# Altium PCB smart_mask_v_1_0.PcbDoc (continued)
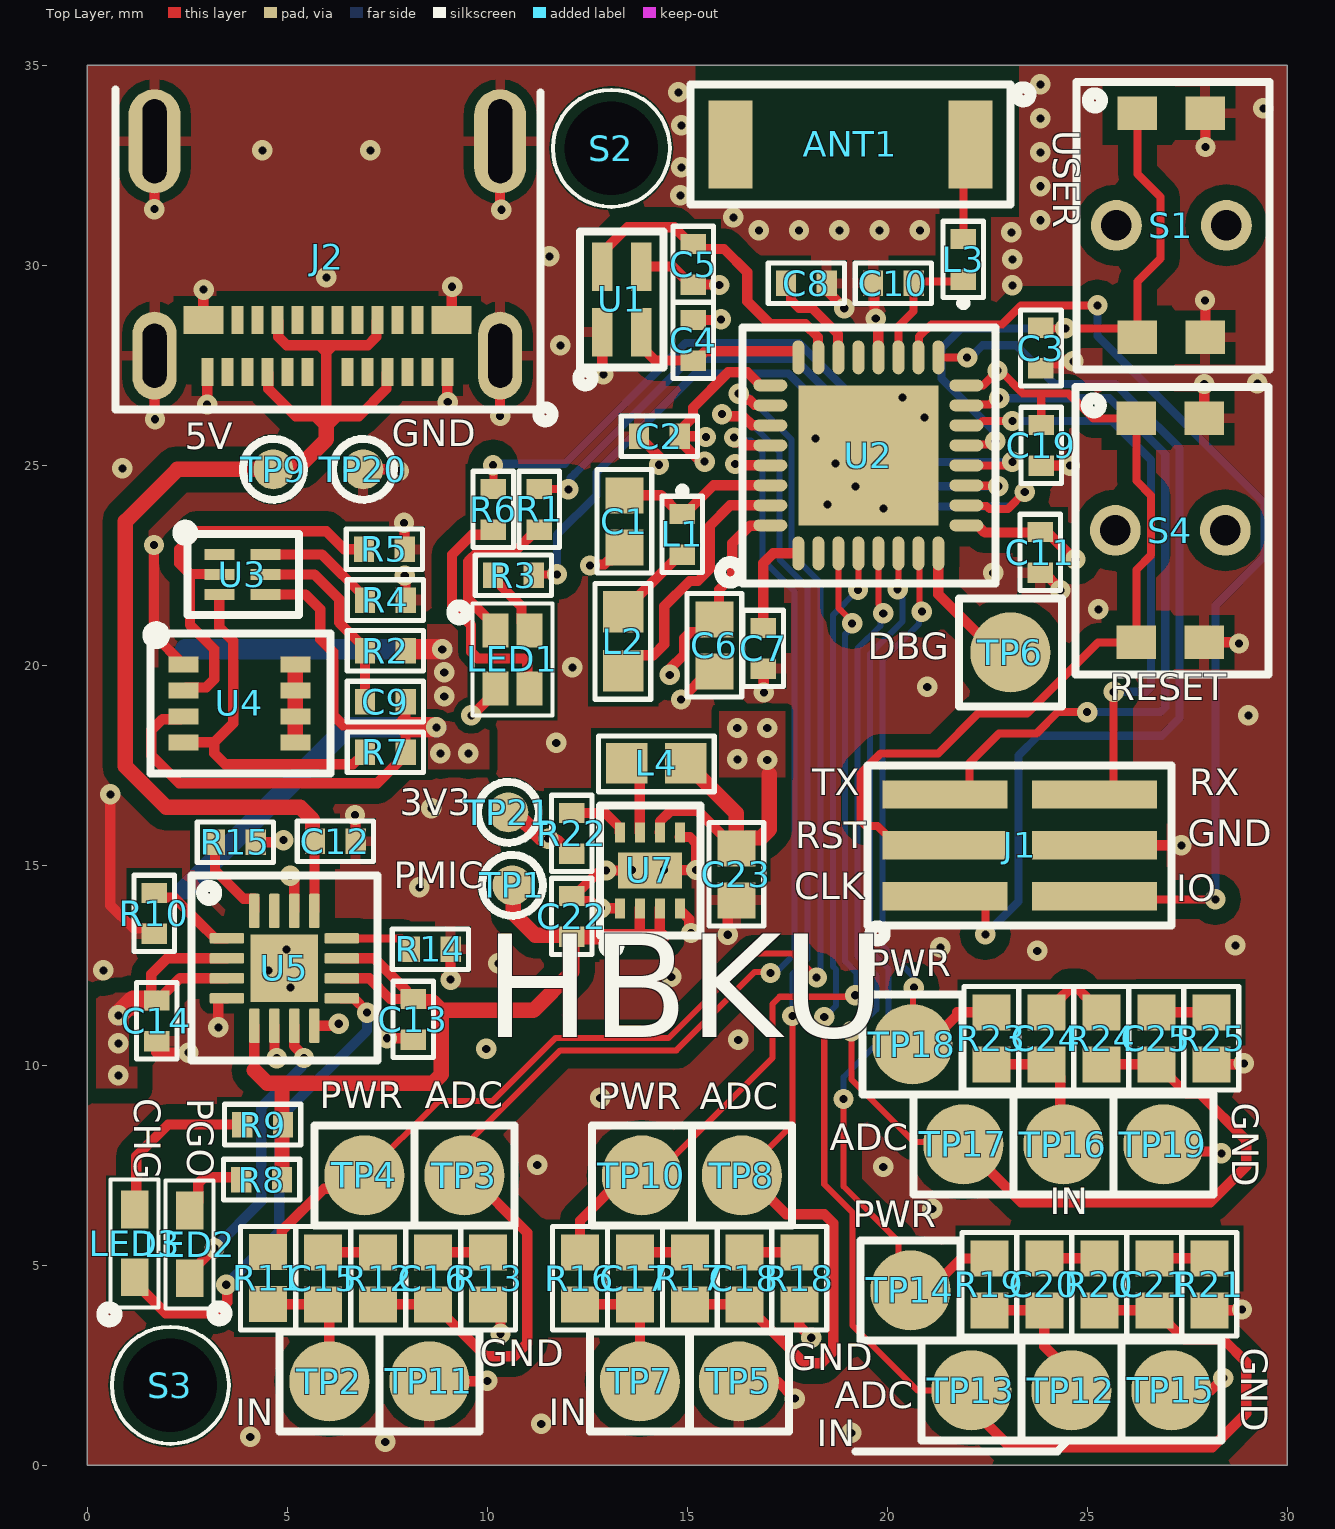
[diagram p0: Top Layer view]
## Footprints (in the part's own frame and the unit in brackets; to place one, negate y for a bottom-side part, rotate by r counter-clockwise, add the part's x,y. Pads: shape width x height; smd on the part's side, far side on the other; paste and mask are expansions set on the pad) (continued)
  oval 0.85x0.3 smd mask+0.076: 1(-2.45,1.75) 2(-2.45,1.25) 3(-2.45,0.75) 4(-2.45,0.25) 5(-2.45,-0.25) 6(-2.45,-0.75) 7(-2.45,-1.25) 8(-2.45,-1.75) 17(2.45,-1.75) 18(2.45,-1.25) 19(2.45,-0.75) 20(2.45,-0.25) 21(2.45,0.25) 22(2.45,0.75) 23(2.45,1.25) 24(2.45,1.75)
  oval 0.3x0.85 smd mask+0.076: 9(-1.75,-2.45) 10(-1.25,-2.45) 11(-0.75,-2.45) 12(-0.25,-2.45) 13(0.25,-2.45) 14(0.75,-2.45) 15(1.25,-2.45) 16(1.75,-2.45) 25(1.75,2.45) 26(1.25,2.45) 27(0.75,2.45) 28(0.25,2.45) 29(-0.25,2.45) 30(-0.75,2.45) 31(-1.25,2.45) 32(-1.75,2.45)
  rect 3.5x3.5 smd: 33(0,0)
  silkscreen extent -3.2,-3.18 3.2,3.7, body extent -2.5,-2.5 2.5,2.5, height 0.9
R0402 [mil]
  rect 20x25 smd mask+2: 1(-20,0) 2(20,0)
  silkscreen extent -38,-20 38,20, body extent -23,-11 23,11, height 16
R0603_DNI [mm] "non polarized"
  rect 0.9x0.95 smd: 1(-0.65,0) 2(0.65,0)
  silkscreen extent -1.3,-0.69 1.3,0.69
REG_BUCK_TPS62172DSGR [mm] "REG BUCK 3.3V 500MA 8WSON"
  rect 0.5x0.25 smd paste+0 mask+0.051: 1(-0.95,0.75) 2(-0.95,0.25) 3(-0.95,-0.25) 4(-0.95,-0.75) 5(0.95,-0.75) 6(0.95,-0.25) 7(0.95,0.25) 8(0.95,0.75)
  rect 0.9x1.6 smd paste-0.45 mask+0.051: 9(0,0)
  silkscreen extent -2.05,-1.27 1.63,1.24, body extent -1,-1 1,1, height 0.77
TP_1mm [mm]
  round 1 smd paste+0 mask+0: 1(0,0)
  silkscreen extent -0.76,-0.76 0.76,0.76
TP_2mm#1 [mm]
  round 2 smd paste+0 mask+0: 1(0,0)
  silkscreen extent -1.25,-1.25 1.25,1.25
TP_2mm#2 [mm]
  round 2 smd paste+0 mask+0: 1(0.03,-0.06)
  silkscreen extent -1.32,-1.35 1.37,1.22
USB-C-1054500101 [mm] "USB-C CONN RCP USB3.1 TYPEC 24P SMD RA"
  rect 0.3x0.7 smd: A1(-3,3.77) A2(-2.5,3.77) A3(-2,3.77) A4(-1.5,3.77) A5(-1,3.77) A6(-0.5,3.77) A7(0.5,3.77) A8(1,3.77) A9(1.5,3.77) A10(2,3.77) A11(2.5,3.77) A12(3,3.77) B2(2.25,2.47) B3(1.75,2.47) B4(1.25,2.47) B5(0.75,2.47) B6(0.25,2.47) B7(-0.25,2.47) B8(-0.75,2.47) B9(-1.25,2.47) B10(-1.75,2.47) B11(-2.25,2.47)
  rect 1x0.7 smd: B1(3.1,2.47) B12(-3.1,2.47)
  oval 1.1x2.2 hole 0.6 slot 1.6 at 90 deg: S1(-4.32,3.36) S2(4.32,3.36)
  oval 1.3x2.6 hole 0.6 slot 2.1 at 90 deg: S3(-4.32,-2) S4(4.32,-2)
  silkscreen extent -5.63,-3.3 5.3,5, body extent -4.47,-3.85 4.47,4.05, height 3.2
XTAL_32MHz_ABM11W-32.0000MHZ-8-B1U-T3 [mil] "CRYSTAL 32.0000MHZ 8PF SMD"
  rect 48x20 smd paste+0 mask+0: 1(-32.32,-19.19) 2(32.32,-19.19) 3(32.32,19.19) 4(-32.32,19.19)
  silkscreen extent -85,-41 67,43, body extent -42,-30 42,30, height 20

## Part data
ANT1: "RF ANT 2.4GHZ CHIP SOLDER SMD", Manufacturer="Johanson Technology Inc.", Supplier Part Number=712-1600-1-ND, ComponentLink1Description="Manufacturer URL", ComponentLink2Description=Datasheet, LINK=https://www.digikey.com/en/products/detail/johanson-technology-inc/2450AT43F0100E/4824788, Manufacturer Part Number=2450AT43F0100E, Price 1 Unit USD=0.84, Price 1000+ Units USD=0.36, Supplier=Digikey
C1: library part "CAP 1uF 0603", "CAP CER 1UF 10V X5R 0603", Manufacturer="Samsung Electro-Mechanics", Manufacturer Part Number=CL10A105KP8NNNC, Package=0603, Supplier Part Number=1276-1182-1-ND, Voltage Rating=16V, LINK=https://www.digikey.com/product-detail/en/samsung-electro-mechanics/CL10A105KP8NNNC/1276-1182-1-ND/3889268, Supplier=Digikey
C2 C3 C7 C9 C11 C19: library part "CAP 100nF 0402", "CAP CER 0.1UF 16V X7R 0402", Manufacturer="Murata Electronics", Manufacturer Part Number=GRM155R71C104KA88J, Package=0402, Supplier Part Number=490-6328-1-ND, Voltage Rating=16V, LINK=https://www.digikey.com/product-detail/en/murata-electronics/GRM155R71C104KA88J/490-6328-1-ND/3845525, Supplier=Digikey
C4 C5: library part "CAP 12pF 0402", "CAP CER 12PF 50V C0G/NP0 0402", Manufacturer="Murata Electronics", Manufacturer Part Number=GRM1555C1H120JA01J, Package=0402, Supplier Part Number=490-11375-1-ND, Voltage Rating=50v, LINK=https://www.digikey.com/product-detail/en/murata-electronics/GRM1555C1H120JA01J/490-11375-1-ND/5333215, Supplier=Digikey
C6: library part "CAP 4.7uF 0603", "CAP CER 4.7UF 10V X5R 0603", Manufacturer="Samsung Electro-Mechanics", Manufacturer Part Number=CL10A475KP8NNNC, Package=0603, Supplier Part Number=1276-1044-1-ND, Voltage Rating=10V, LINK=https://www.digikey.com/product-detail/en/samsung-electro-mechanics/CL10A475KP8NNNC/1276-1044-1-ND/3889130, Supplier=Digikey
C8: library part "CAP 100pF 0402", "CAP CER 100PF 50V C0G/NP0 0402", Manufacturer="Murata Electronics", Manufacturer Part Number=GRM1555C1H101JA01J, Package=0402, Supplier Part Number=490-7754-1-ND, Voltage Rating=50v, LINK=https://www.digikey.com/product-detail/en/murata-electronics/GRM1555C1H101JA01J/490-7754-1-ND/4358006, Supplier=Digikey
C10: library part "CAP 0.8pF 0402", "CAP CER 0.8PF 50V C0G/NP0 0402", Manufacturer="Murata Electronics", Manufacturer Part Number=GRM1555C1HR80BA01J, Package=0402, Supplier Part Number=490-11411-1-ND, Voltage Rating=50v, LINK=https://www.digikey.com/product-detail/en/murata-electronics/GRM1555C1HR80BA01J/490-11411-1-ND/5333251, Supplier=Digikey
C12: library part "CAP 1uF 0402", "CAP CER 1UF 10V X6S 0402", Manufacturer="Murata Electronics", Manufacturer Part Number=GRM155C81A105KA12D, Package=0402, Supplier Part Number=490-12699-1-ND, Voltage Rating=10V, LINK=https://www.digikey.com/product-detail/en/murata-electronics/GRM155C81A105KA12D/490-12699-1-ND/5797668, Supplier=Digikey
C13 C14: library part "CAP 4.7uF 0402", "CAP CER 4.7UF 6.3V X5R 0402", Manufacturer="Murata Electronics", Manufacturer Part Number=GRM155R60J475ME47D, Package=0402, Supplier Part Number=490-5915-1-ND, Voltage Rating=6.3V, LINK=https://www.digikey.com/product-detail/en/murata-electronics/GRM155R60J475ME47D/490-5915-1-ND/3719860, Supplier=Digikey
C15 C16 C17 C18 C20 C21 C24 C25: library part "Cap DNI 0603", "DNI (Do Not Install)"
C22: library part "CAP 10uF 0402", "CAP CER 10UF 4V X5R 0402", Manufacturer="Murata Electronics", Manufacturer Part Number=GRM155R60G106ME44D, Package=0402, Supplier Part Number=490-10693-1-ND, Voltage Rating=4V, LINK=https://www.digikey.com/product-detail/en/murata-electronics/GRM155R60G106ME44D/490-10693-1-ND/5251412, Supplier=Digikey
C23: library part "CAP 22uF 0603", "CAP CER 22UF 6.3V X5R 0603", Manufacturer="Murata Electronics", Manufacturer Part Number=GRM188R60J226MEA0D, Package=0603, Supplier Part Number=490-7611-1-ND, Voltage Rating=6.3V, LINK=https://www.digikey.com/product-detail/en/murata-electronics/GRM188R60J226MEA0D/490-7611-1-ND/4280544, Supplier=Digikey
J1: "CONN HEADER SMD 6POS 1.27MM", Manufacturer="Samtec Inc.", Supplier Part Number=SAM14930CT-ND, zz Current Rating Per Pin=3.4A, LINK=https://www.digikey.com/en/products/detail/samtec-inc/FTS-103-01-F-DV-TR/2649936, Manufacturer Part Number=FTS-103-01-F-DV-TR, Price 1 Unit USD=1.39, Price 1000+ Units USD=0.78, Supplier=Digikey
J2: "USB-C CONN RCP USB3.1 TYPEC 24P SMD RA", Manufacturer=Molex, Supplier Part Number=WM12856CT-ND, zz Current Rating Per Pin="0.25A, 1A, 5A", LINK=https://www.digikey.com/en/products/detail/molex/1054500101/5843890, Manufacturer Part Number=1054500101, Price 1 Unit USD=1.10, Price 1000+ Units USD=2.19, Supplier=Digikey
L1: "FIXED IND 15NH 450MA 320 MOHM", Manufacturer="Murata Electronics", Manufacturer Part Number=LQG15HS15NJ02D, Package=0603, Supplier Part Number=490-2625-1-ND, Tolerance=5%, LINK=https://www.digikey.com/product-detail/en/murata-electronics/LQG15HS15NJ02D/490-2625-1-ND/662905, Supplier=Digikey
L2: "FIXED IND 10UH 50MA 900 MOHM SMD", Manufacturer="Murata Electronics", Manufacturer Part Number=LQM18FN100M00D, Package=0603, Supplier Part Number=490-4025-1-ND, Tolerance=20%, LINK=https://www.digikey.com/product-detail/en/murata-electronics/LQM18FN100M00D/490-4025-1-ND/1016285, Supplier=Digikey
L3: "FIXED IND 3.9NH 750MA 180 MOHM", Manufacturer="Murata Electronics", Manufacturer Part Number=LQG15HS3N9S02D, Package=0603, Supplier Part Number=490-2617-1-ND, Tolerance=5%, LINK=https://www.digikey.com/product-detail/en/murata-electronics/LQG15HS3N9S02D/490-2617-1-ND/662897, Supplier=Digikey
L4: "2.2UH20% 1.05A(MAX) / 1.15A(TYP.", Manufacturer="Murata Electronics", Manufacturer Part Number=LQM18PN2R2MGHD, Package=0603, Supplier Part Number=490-14478-6-ND, Tolerance=20%, LINK=https://www.digikey.co.uk/product-detail/en/murata-electronics/LQM18PN2R2MGHD/490-14478-6-ND/6607082, Supplier=Digikey
LED1: "LED RGB DIFFUSED CHIP SMD / LED Tri-Color Blue/Green/Red, 5 V, -20 to 80 degC, 4-Pin SMD, RoHS, Tape and Reel", Manufacturer="Lite-On Inc.", Manufacturer Part Number=LTST-C19HE1WT, Supplier Part Number=160-2162-1-ND, zz Package=0606, zz Power Supply Rating="2.1V Red, 3.35V Green, 3.35V Blue", LINK=https://www.digikey.com/product-detail/en/lite-on-inc/LTST-C19HE1WT/160-2162-1-ND/4866310, Price 1 Unit USD=0.56, Price 1000+ Units USD=0.13, Supplier=Digikey
LED2 LED3: "LED RED CLEAR CHIP SMD", Manufacturer="Lite-On Inc.", Supplier Part Number=160-1181-1-ND, zz Package="0603 Lite-On", LINK=https://www.digikey.co.uk/product-detail/en/lite-on-inc/LTST-C190CKT/160-1181-1-ND/269253?utm_source=snapeda&utm_medium=aggregator&utm_campaign=symbol, Manufacturer Part Number=LTST-C190CKT, Price 1 Unit USD=0.05, Price 1000+ Units USD=0.31, Supplier=Digikey
R1 R3 R6 R8 R9: library part "RES 470R 0402", "RES SMD 470 OHM 1% 1/16W 0402", Manufacturer=Yageo, Manufacturer Part Number=RC0402FR-07470RL, Package=0402, Power=1/16W, Supplier Part Number=311-470LRCT-ND, Tolerance=1%, LINK=https://www.digikey.com/product-detail/en/yageo/RC0402FR-07470RL/311-470LRCT-ND/729566, Supplier=Digikey
R2: library part "RES 330R 0402", "RES SMD 330 OHM 1% 1/16W 0402", Manufacturer=Yageo, Manufacturer Part Number=RC0402FR-07330RL, Package=0402, Power=1/16W, Supplier Part Number=311-330LRCT-ND, Tolerance=1%, LINK=https://www.digikey.co.uk/product-detail/en/yageo/RC0402FR-07330RL/311-330LRCT-ND/729541, Supplier=Digikey
R4: library part "RES 2.2k 0402", "RES SMD 2.2K OHM 1% 1/16W 0402", Manufacturer=Yageo, Manufacturer Part Number=RC0402FR-072K2L, Package=0402, Power=1/16W, Supplier Part Number=311-2.20KLRCT-ND, Tolerance=1%, LINK=https://www.digikey.co.uk/product-detail/en/yageo/RC0402FR-072K2L/311-2-20KLRCT-ND/729500, Supplier=Digikey
R5 R7: library part "RES 10M 0402", "RES SMD 10 MOHM 1% 1/16W 0402", Manufacturer=Yageo, Manufacturer Part Number=RC0402FR-0710ML, Package=0402, Power=1/16W, Supplier Part Number=311-10.0MLRCT-ND, Tolerance=1%, LINK=https://www.digikey.co.uk/product-detail/en/yageo/RC0402FR-0710ML/311-10-0MLRCT-ND/2827890, Supplier=Digikey
R10: library part "RES 10k 0402", "RES SMD 10K OHM 1% 1/16W 0402", Manufacturer=Yageo, Manufacturer Part Number=RC0402FR-0710KL, Package=0402, Power=1/16W, Supplier Part Number=311-10.0KLRCT-ND, Tolerance=1%, LINK=https://www.digikey.com/product-detail/en/yageo/RC0402FR-0710KL/311-10-0KLRCT-ND/729470, Supplier=Digikey
R11 R12 R13 R16 R17 R18 R19 R20 R21 R23 R24 R25: "DNI (Do Not Install)"
R14: library part "RES 3k 0402", "RES SMD 10K OHM 1% 1/16W 0402", Manufacturer=Yageo, Manufacturer Part Number=RC0402FR-073KL, Package=0402, Power=1/16W, Supplier Part Number=311-3KLRCT-ND, Tolerance=1%, LINK=https://www.digikey.co.uk/product-detail/en/yageo/RC0402FR-073KL/311-3KLRCT-ND/2827904, Supplier=Digikey
R15: library part "RES 4.7k 0402", "RES SMD 4.7K OHM 1% 1/16W 0402", Manufacturer=Yageo, Manufacturer Part Number=RT0402FRE074K7L, Power=1/16W, Supplier Part Number=YAG3347CT-ND, Tolerance=1%, LINK=https://www.digikey.co.uk/product-detail/en/yageo/RT0402FRE074K7L/YAG3347CT-ND/5418052, Supplier=Digikey
R22: library part "RES 100k 0402", "RES SMD 100K OHM 1% 1/16W 0402", Manufacturer=Yageo, Manufacturer Part Number=RC0402FR-07100KL, Power=1/16W, Supplier Part Number=311-100KLRCT-ND, Tolerance=1%, LINK=https://www.digikey.co.uk/product-detail/en/yageo/RC0402FR-07100KL/311-100KLRCT-ND/729473, Supplier=Digikey
S1 S4: "SWITCH TACTILE SPST-NO 0.05A 12V", Manufacturer=E-Switch, Supplier Part Number=EG5042CT-ND, ComponentLink1Description="Manufacturer URL", ComponentLink2Description=Datasheet, ComponentLink2URL=http://spec_sheets.e-switch.com/specs/P410002.pdf, LINK=https://www.digikey.com/product-detail/en/e-switch/TL1014BF160QG/EG5042CT-ND/3910808, Manufacturer Part Number=TL1014BF160QG, Price 1 Unit USD=0.65, Price 1000+ Units USD=0.40, Supplier=Digikey
S2 S3: "Mounting hole  M2 size, no solder stop, so no screw"
TP1 TP9 TP20 TP21: "Test point 1mm diameter", ComponentLink1Description="Manufacturer URL", ComponentLink2Description=Datasheet, Supplier=Digikey
TP2 TP3 TP4 TP5 TP6 TP7 TP8 TP10 TP11 TP12 TP13 TP14 TP15 TP16 TP17 TP18 TP19: "Test point 2mm diameter", ComponentLink1Description="Manufacturer URL", ComponentLink2Description=Datasheet, Supplier=Digikey
U1: "CRYSTAL 32.0000MHZ 8PF SMD", Manufacturer="Abracon LLC", Supplier Part Number=535-13899-1-ND, ComponentLink1Description="Manufacturer URL", ComponentLink2Description=Datasheet, LINK=https://www.digikey.com/product-detail/en/abracon-llc/ABM11W-32-0000MHZ-8-B1U-T3/535-13899-1-ND/7173084, Manufacturer Part Number=ABM11W-32.0000MHZ-8-B1U-T3, Price 1 Unit USD=0.75, Price 1000+ Units USD=0.43, Supplier=Digikey
U2: "NRF52811 Nordic Bluetooth 5.1 chip 32 pins QFN32", Manufacturer="Nordic Semiconductor", Manufacturer Part Number=949-NRF52811-QCAA-R, Supplier Part Number=nRF52811-QCAA-R, ComponentLink1Description="Manufacturer URL", ComponentLink2Description=Datasheet, LINK=https://eu.mouser.com/ProductDetail/Nordic-Semiconductor/nRF52811-QCAA-R?qs=gZXFycFWdAOUhCgQu7%252B6sA%3D%3D, Price 1 Unit USD=3.29, Price 1000+ Units USD=1.64, Supplier=Mouser
U3: "BATT LITHIUM BATT PROTECT 6-SON", Manufacturer="Texas Instruments", Supplier Part Number=296-43985-1-ND, ComponentLink1Description="Manufacturer URL", ComponentLink2Description=Datasheet, LINK=https://www.digikey.com/product-detail/en/texas-instruments/BQ29700DSER/296-43985-1-ND/5973209, Manufacturer Part Number=BQ29700DSER, Price 1 Unit USD=0.56, Price 1000+ Units USD=0.21, Supplier=Digikey
U4: "MOSFET 2N-CH 24V 14A SOT-28", Manufacturer="ON Semiconductor", Supplier Part Number=ECH8693R-TL-WOSCT-ND, ComponentLink1Description="Manufacturer URL", ComponentLink2Description=Datasheet, LINK=https://www.digikey.com/product-detail/en/on-semiconductor/ECH8693R-TL-W/ECH8693R-TL-WOSCT-ND/5969317, Manufacturer Part Number=ECH8693R-TL-W, Price 1 Unit USD=0.20, Price 1000+ Units USD=0.53, Supplier=Digikey
U5: "BATT LI-ION CHARGE MGMT 16-QFN", Manufacturer="Texas Instruments", Supplier Part Number=296-38873-1-ND, ComponentLink1Description="Manufacturer URL", ComponentLink2Description=Datasheet, LINK=https://www.digikey.com/product-detail/en/texas-instruments/BQ24074RGTR/296-38873-1-ND/5142985, Manufacturer Part Number=BQ24074RGTR, Price 1 Unit USD=2.21, Price 1000+ Units USD=1.01, Supplier=Digikey
U6: "BATTERY LITHIUM 110mAh 3.7V COIN 24.5MM", Manufacturer="Illinois Capacitor", Supplier Part Number=1572-1630-ND, ComponentLink1Description="Manufacturer URL", ComponentLink2Description=Datasheet, LINK=https://www.digikey.com/en/products/detail/illinois-capacitor/RJD2430C1ST1/6596418?s=N4IgTCBcDaIEoCkAiYAsBmADAYQIwGUAVXEAXQF8g, Manufacturer Part Number=RJD2430C1ST1, Price 1 Unit USD=11.00, Price 1000+ Units USD=7.00, Supplier=Digikey
U7: "REG BUCK 3.3V 500MA 8WSON", Manufacturer="Texas Instruments", Supplier Part Number=296-39449-1-ND, ComponentLink1Description="Manufacturer URL", ComponentLink2Description=Datasheet, LINK=https://www.digikey.com/product-detail/en/texas-instruments/TPS62172DSGR/296-39449-1-ND/5143397, Manufacturer Part Number=TPS62172DSGR, Price 1 Unit USD=1.29, Price 1000+ Units USD=0.54, Supplier=Digikey

## Via types
v1: diameter 0.508, hole 0.203, Top Layer to Bottom Layer, tented both sides, 168 vias
v2: diameter 0.508, hole 0.203, Top Layer to Bottom Layer, 3 vias

## Nets (pads, with @x,y where several pads share a name; then routed paths per layer and width w, separated by ;. In a path a pad name is that pad's centre, name@x,y a point inside that pad or via, vN(x,y) a via of type N, cw(c..) or ccw(c..) an arc to the next point about the centre after c; other vN are vias at no path point)
+3V3: C2.2 C6.1 C11.1 C23.2 L4.2 LED1.4 R22.2 TP21.1 U2.9 U2.25 U2.32 U7.6 | length 24
  Top Layer w0.254: v1(9.6,18.75) 9.625,18.75 10.2,19.325 LED1.4 ; v1(11.519,15.667) 11.516,15.667 11.495,15.645 11.758,15.645 R22.2 ; U7.6 14.314,15.827 14.314,16.097 14.571,16.354 15.271,16.354 16.2,15.425 C23.2 ; v1(14.561,19.762) 14.561,19.911 14.921,20.271 14.921,20.416 14.925,20.42 14.925,20.678 15.074,20.827 15.352,20.827 C6.1 15.793,21.268 15.793,21.893 16.125,22.225 16.125,23.05 16.565,23.49 16.757,23.49 16.759,23.491 17.066,23.491 U2.32 ; C2.2@14.935,25.725 15.446,25.725 v1(15.465,25.707) ; v1(15.432,25.093) 15.383,25.142 15.283,25.142 14.935,25.49 14.935,25.598 C2.2 14.935,25.852 14.935,25.994 15.141,26.2 15.141,26.441 16.025,27.325 16.503,27.325 16.791,27.037 16.791,27.021 16.812,27 U2.25 U2.25@17.066,26.991 ; U2.9 22.255,23.5 22.438,23.317 C11.1@23.825,23.317 ; C11.1@23.952,23.206 23.909,23.249 C11.1 23.992,23.333 24.036,23.289 24.675,22.65 v1(24.7,22.65)
  Top Layer w0.381: TP21.1 10.693,16.325 11.326,15.691 11.461,15.691 11.495,15.657 v1@11.495,15.645 ; L4.2 14.975,17.55 16.225,16.3 C23.2 16.485,15.684 16.839,15.684 17.05,15.896 17.05,17.275
  other v1: 17,17.633 16.25,17.65 16.25,18.433 17,18.433
+5VUSB: C12.2 J2.A4 J2.A9 J2.B4 J2.B9 TP9.1 U5.13 | length 30.9
  Top Layer w0.254: J2.A9 4.523,27.307 4.523,26.912 5.21,26.225 5.687,26.225 ; J2.B4 4.773,28.607 4.773,28.212 4.984,28.001 5.799,28.001 ; C12.2@5.628,15.663 5.678,15.614 5.678,13.863 U5.13 ; 5.956,25.914 5.975,25.933 6.267,26.225 ; 5.975,25.937 5.687,26.225 ; J2.B9 7.227,28.607 7.227,28.212 7.016,28.001 6.125,28.001 ; J2.A4 7.477,27.307 7.477,26.912 6.79,26.225 6.267,26.225 ; 5.687,26.225 5.975,26.225 ; 5.799,28.001 6.125,28.001 ; 5.799,28.001 5.975,27.825 ; 5.975,26.225 6.267,26.225 ; 5.975,26.225 5.975,27.825 ; 5.975,27.825 6.125,27.975 6.125,28.001
  Top Layer w0.381: C12.2@5.628,15.663 5.628,16.147 5.325,16.45 1.975,16.45 0.95,17.475 0.95,23.6 2.25,24.9 TP9.1 4.739,24.989 5.314,24.989 5.975,25.65 5.975,25.933 5.975,25.937 5.975,26.225 ; C12.2@5.678,15.614 C12.2
+GND: C1.1 C2.1 C3.2 C4.2 C5.2 C6.2 C7.2 C8.2 C10.1 C11.2 C12.1 C13.1 C14.1 C19.2 C22.1 C23.1 J1.4 J2.A1 J2.A12 J2.B1 J2.B12 J2.S1 J2.S2 J2.S3 J2.S4 R4.1 R5.2 R10.2 R13.2 R14.1 R15.1 R18.2 R21.2 R25.2 S1.2 S1.4 S4.2 S4.4 TP5.1 TP11.1 TP15.1 TP19.1 TP20.1 U1.2 U1.4 U2.20 U2.29 U2.33 U4.1 U5.4 U5.6 U5.8 U5.14 U5.17 U7.1 U7.4 U7.5 U7.9 | length 62.4
  Top Layer w0.254: v1(0.575,16.775) 0.575,14 1.156,13.419 1.548,13.419 R10.2 R10.2@1.612,13.292 ; v1(1.666,23.009) 1.666,20.759 U4.1 ; v1(1.675,31.404) 1.68,31.409 J2.S4 ; J2.S2 1.68,26.164 v1(1.691,26.153) ; 1.725,10.317 v1(2.531,10.317) ; J2.B1 2.9,29.384 v1(2.908,29.392) ; v1(2.996,26.519) 3,26.523 J2.A12 ; v1(3.275,10.95) 3.275,11.672 3.278,11.675 U5.4 ; R15.1 4.849,15.575 v1(4.903,15.628) ; U5.6 4.678,10.987 4.678,10.371 4.758,10.29 4.758,10.202 v1(4.735,10.179) ; v1(5.071,14.738) 5.175,14.634 U5.14 ; U5.8 6.236,10.99 v1(6.285,11.04) ; v1(6.69,16.256) 6.708,16.238 C12.1 ; TP20.1 7.751,24.9 v1(7.794,24.858) ; v1(7.491,10.676) 8.116,10.676 C13.1 ; v1(7.915,23.561) 7.933,23.543 R5.2 ; v1(7.936,22.245) 7.958,22.223 R4.1 ; TP11.1 9.987,2.1 v1(9.998,2.111) ; J2.A1 9,26.592 v1(9.011,26.581) ; v1(9.083,12.142) R14.1 ; J2.B12 9.119,28.649 v1(9.119,29.464) ; R13.2 10.328,3.719 v1(10.328,3.29) ; J2.S1 10.32,26.236 v1(10.321,26.235) ; J2.S3 10.32,31.421 v1(10.351,31.39) ; C22.1 12.239,14.106 12.592,14.106 12.773,13.925 v1@12.842,13.925 ; C22.1@12.175,14.233 12.766,14.824 12.923,14.824 v1(12.971,14.873) 14.059,14.873 U7.9 14.068,14.882 v1(15.222,14.882) 15.222,15.551 15.067,15.706 14.814,15.706 U7.5@14.812,15.708 ; v1(12.568,22.494) 12.598,22.524 12.928,22.524 13.031,22.627 13.102,22.627 C1.1 ; v1(12.837,13.93) v1@12.842,13.925 ; U1.4 12.875,27.299 v1(12.902,27.272) ; U7.1 v1@12.842,13.925 ; C2.1 14.292,25.225 v1(14.292,25.013) ; U1.2 14.637,29.967 15.087,29.517 C5.2 15.789,29.517 v1(15.799,29.507) ; v1(14.844,19.147) 15.547,19.85 C6.2 ; U7.4@14.897,13.802 15.048,13.651 15.048,13.351 v1(15.093,13.306) ; C4.2 15.826,28.633 v1(15.841,28.648) ; v1(16.01,13.265) 16.01,13.91 C23.1 ; v1(16.198,25.033) 16.198,24.963 16.235,25 U2.29 ; TP5.1 17.255,2.098 v1(17.685,1.668) ; C7.2 16.912,19.905 v1(16.912,19.321) ; R18.2 17.8,3.487 v1(18.099,3.188) ; C8.2 18.483,29.369 v1(18.924,28.928) ; C10.1 19.677,29.515 19.677,28.703 v1(19.712,28.668) 19.775,28.605 U2.20 ; C11.2 23.871,22.363 24.325,21.908 v1(24.325,21.875) ; C3.2 23.967,27.551 24.532,27.551 24.581,27.6 v1(24.65,27.6) ; C19.2 v1(24.566,24.992) v1@24.567,24.99 ; J1.4 v1(27.35,15.5) ; TP19.1 27.076,7.849 28.301,7.849 v1(28.35,7.8) ; TP15.1 28.092,1.875 v1(28.4,2.183) ; S4.4 28.76,20.575 v1(28.79,20.545) ; S4.2 v1(27.925,27.031) ; v1(27.943,29.124) 27.952,29.116 S1.4 ; v1(27.953,32.958) S1.2 ; R21.2 28.846,3.875 v1(28.867,3.896) ; R25.2 28.889,10.025 v1(28.912,10.049)
  other v1: 7.448,0.586 4.073,0.711 19.098,0.811 11.348,1.036 21.123,6.411 19.898,7.461 11.248,7.511 12.823,9.186 9.973,10.411 16.273,10.636 5.075,11.95 14.598,12.211 0.4,12.375 4.525,12.375 10.275,12.55 23.748,12.861 4.975,12.9 21.325,12.95 28.7,13 8.3,14.45 13.617,14.879 14.417,14.879 8.6,16.425 11.723,18.061 29.025,18.75 20.998,19.461 12.125,19.95 25.275,21.4 22.648,22.311 19.9,23.925 18.5,24.025 19.2,24.475 0.875,24.925 18.7,25.05 18.2,25.675 20.925,26.2 20.375,26.7 29.25,27.05 11.825,28 23.125,29.5 5.975,29.7 23.125,30.15 11.55,30.225 23.1,30.825 16.788,30.875 17.794,30.875 18.8,30.875 19.806,30.875 20.812,30.875 23.825,31.127 16.15,31.2 14.825,31.75 23.825,31.976 14.85,32.45 23.825,32.825 4.375,32.875 7.075,32.875 14.85,33.5 23.825,33.674 29.4,33.925 14.775,34.325 23.825,34.523
+VPMIC: C13.2 C22.2 R8.2 R9.2 TP1.1 U5.5 U5.10 U5.11 U7.2 U7.3 | length 25.6
  Top Layer w0.254: 4.175,9.875 U5.5 ; U5.10 7.05,12.175 7.567,11.658 C13.2 ; U5.11 7.175,12.675 7.96,11.891 7.96,11.785 C13.2@8.087,11.658 ; U7.2 13.812,13.221 13.815,13.217 ; U7.3 14.312,13.272 14.367,13.217
  Top Layer w0.381: 4.175,9.875 4.5,9.55 8.627,9.55 8.85,9.773 8.85,11.371 8.627,11.595 C13.2@8.214,11.595 ; R8.2 4.866,9.509 ; 8.846,11.375 11.15,11.375 12.112,12.337 C22.2 ; TP1.1@10.65,14.475 10.65,13.8 11.2,13.25 C22.2@12.079,13.25 ; C22.2@12.07,13.259 C22.2@12.079,13.25 ; 14.367,13.217 13.815,13.217 C22.2 ; C22.2@12.079,13.25 C22.2
ANTENNA: ANT1.1 L3.2 | length 1.5
  Top Layer w0.203: L3.2 ANT1.1@21.9,32.15
BAT+: C14.2 R2.2 U5.2 U5.3 U6.1 | length 27.2
  Top Layer w0.254: C14.2@1.6,11.75 1.6,12.275 2,12.675 U5.2 ; C14.2@1.865,11.726 2.314,12.175 U5.3
  Top Layer w0.508: v1(0.775,11.25) 1.146,11.621 C14.2 ; R2.2 7.958,20.4 v1(8.875,20.4)
  Power Layer w0.508: v1(0.775,11.25) 0.775,11.3 1.875,12.4 1.875,16.1 5.05,19.275 8.15,19.275 8.875,20 v1(8.875,20.4)
  Bottom Layer w0.508: U6.1 v1(8.875,20.4)
  other v1: 0.775,9.75 0.775,10.55 8.925,19.225 8.925,19.825
BAT-: C9.1 R7.1 U3.4 U4.3 U6.2 | length 25.3
  Top Layer w0.254: U4.3 2.327,18.652 1.877,18.652 1.6,18.375 1.6,17.75 1.9,17.45 2.3,17.05 7.247,17.05 7.958,17.761 R7.1 7.958,18.319 ; U3.4 5.452,21.773 5.825,21.4 5.825,20.65 6.15,20.325 6.15,18.75 6.4,18.5 6.569,18.5 6.572,18.497 7.749,18.497 ; 7.89,18.637 7.835,18.583 7.749,18.497 ; C9.1 7.958,18.583 7.958,18.459 ; 7.749,18.497 7.835,18.411 7.872,18.374 7.927,18.319 7.958,18.319 ; 7.749,18.497 7.921,18.497 7.958,18.459 ; 7.958,18.319 7.958,18.411 7.958,18.459
  Top Layer w0.508: 7.958,18.459 7.967,18.45 v1(8.725,18.45)
  Bottom Layer w0.508: U6.2 6.5,18.45 v1(8.725,18.45)
  other v1: 8.825,17.8 9.525,17.8
BUTTON: C3.1 S1.1 S1.3 U2.13 | length 15.5
  Top Layer w0.203: U2.13 21.994,25.519 22.536,25.519 22.619,25.601 v1(22.701,25.601) ; C3.1 23.855,28.425 v1(24.452,28.424) ; v1(24.452,28.424) v1(24.452,28.424) ; S1.1 26.252,32.282 26.829,31.705 26.829,30.171 26.252,29.594 S1.3 26.027,28.425 v1(24.452,28.424)
  Bottom Layer w0.203: v1(22.701,25.601) 22.643,25.66 22.643,25.882 21.35,27.175 21.35,27.927 21.848,28.425 v1@24.375,28.425
CHAR_CHG: LED3.C U5.9 | length 12.4
  Top Layer w0.254: LED3.C 1.182,4.58 1.962,3.8 3.225,3.8 3.5,4.075 3.5,4.489 v2(3.473,4.515) ; U5.9 6.66,11.675 6.991,11.344 v1(6.991,11.317)
  Bottom Layer w0.254: v2(3.473,4.515) 4.8,5.842 4.8,8.675 6.991,10.866 v1(6.991,11.317)
CHAR_PGOOD: LED2.C U5.7 | length 7.7
  Top Layer w0.254: LED2.C@2.556,4.805 v2(3.181,5.429) ; U5.7 5.175,10.481 5.431,10.225 5.431,10.197 v1(5.418,10.184)
  Bottom Layer w0.254: v2(3.181,5.429) 4.35,6.599 4.35,8.95 5.369,9.969 5.369,10.066 5.406,10.103 5.503,10.103 5.369,10.135 v1(5.418,10.184)
DEBUG: TP6.1 U2.8 | length 3.4
  Top Layer w0.254: U2.8 21.275,21.775 22.725,20.325 TP6.1
LED_B: R6.2 U2.12 | length 17.3
  Top Layer w0.203: v1(10.143,25.002) 10.15,24.995 R6.2 ; U2.12 22.957,25 23.044,25.086 v1(23.126,25.086)
  Bottom Layer w0.203: v1(10.143,25.002) 10.181,25.04 11.935,25.04 14.955,28.061 17.789,28.061 20.764,25.086 v1(23.126,25.086)
LED_G: R3.2 U2.10 | length 18.5
  Top Layer w0.203: R3.2 11.181,22.273 v1(11.741,22.273) ; U2.10 21.994,23.981 22.48,23.981 22.553,23.908 23.013,23.908 v1(23.437,24.332)
  Bottom Layer w0.203: v1(11.741,22.273) 11.741,23.266 12.725,24.25 12.725,24.825 15.2,27.3 17.525,27.3 20.857,23.968 23.073,23.968 v1(23.437,24.332)
LED_R: R1.2 U2.11 | length 15.1
  Top Layer w0.203: R1.2 11.304,24.404 12.021,24.404 v1(12.025,24.4) ; U2.11 21.987,24.488 22.764,24.488 v1(22.776,24.476)
  Bottom Layer w0.203: v1(12.025,24.4) 12.083,24.458 12.083,24.686 12.186,24.789 15.052,27.655 17.692,27.655 20.871,24.476 v1(22.776,24.476)
NetC1_2: C1.2 L1.1 U2.30 | length 4.1
  Top Layer w0.254: C1.2 14.345,24.25 14.812,23.783 L1.1 14.939,23.783 15.655,24.5 U2.30
NetC4_1: C4.1 U1.1 U2.24 | length 4.7
  Top Layer w0.254: U1.1 13.85,27.969 14.202,27.617 15.214,27.617 15.446,27.85 17.754,27.85 17.775,27.829 U2.24
NetC5_1: C5.1 U1.3 U2.23 | length 8.1
  Top Layer w0.254: U1.3 12.875,30.323 13.502,30.95 14.675,30.95 14.675,30.945 15.087,30.533 C5.1 15.277,30.406 15.919,30.406 16.5,29.825 16.5,29.1 17.075,28.525 17.95,28.525 18.266,28.209 18.266,27.709 U2.23
NetC7_1: C7.1 U2.1 | length 2.6
  Top Layer w0.254: C7.1 16.9,22.55 17.15,22.8 U2.1
NetC8_1: C8.1 U2.22 | length 2.6
  Top Layer w0.254: C8.1 17.594,29.423 17.594,29.131 17.794,28.931 18.118,28.931 18.766,28.284 18.766,27.709 U2.22
NetC9_2: C9.2 R2.1 U3.5 | length 4.9
  Top Layer w0.254: U3.5 5.677,22.273 6.3,21.65 6.3,21.068 6.942,20.426 R2.1 C9.2
NetC10_2: C10.2 L3.1 U2.19 | length 3.3
  Top Layer w0.203: U2.19 20.284,27.709 20.284,28.477 20.658,28.851 C10.2 20.704,29.596 21.854,29.596 L3.1
NetC15_2: C15.2 R12.1 | length 1.4
  Top Layer w0.254: C15.2 R12.1
NetC16_2: C16.2 R13.1 | length 1.4
  Top Layer w0.254: C16.2 R13.1
NetC17_2: C17.2 R17.1 | length 1.4
  Top Layer w0.254: C17.2 R17.1
NetC18_2: C18.2 R18.1 | length 1.4
  Top Layer w0.254: C18.2 R18.1
NetC20_2: C20.2 R20.1 | length 1.4
  Top Layer w0.254: C20.2 R20.1
NetC21_2: C21.2 R21.1 | length 1.4
  Top Layer w0.254: C21.2 28.037,5.175 R21.1@28.05,5.162
NetC24_2: C24.2 R24.1 | length 1.9
  Top Layer w0.254: C24.2 24,11.325 24.323,11.648 24.323,11.673 24.557,11.907 24.768,11.907 25.002,11.673 25.002,11.648 25.325,11.325 R24.1
NetC25_2: C25.2 R25.1 | length 1.4
  Top Layer w0.254: C25.2 R25.1
NetL1_2: L1.2 L2.1 | length 2.1
  Top Layer w0.254: L2.1 13.783,21.723 13.783,21.739 14.812,22.767 L1.2
NetL2_2: L2.2 U2.31 | length 6.6
  Top Layer w0.254: L2.2 13.4,19.87 13.783,20.253 14.153,20.253 14.425,20.525 14.425,21.475 15.057,22.107 15.268,22.107 15.568,22.407 15.568,23.493 16.075,24 U2.31
NetL4_1: L4.1 U7.7 | length 1.9
  Top Layer w0.254: L4.1 13.812,17.223 U7.7
NetLED1_1: LED1.1 R1.1 | length 4.1
  Top Layer w0.254: LED1.1 10.2,20.975 9.525,21.65 9.525,22.6 9.784,22.859 10.703,22.859 11.237,23.392 R1.1
NetLED1_2: LED1.2 R3.1 | length 1.8
  Top Layer w0.254: R3.1 10.142,22.187 10.852,21.477 10.852,21.073 LED1.2
NetLED1_3: LED1.3 R6.1 | length 6.1
  Top Layer w0.254: R6.1 10.023,23.265 9.616,23.265 9.119,22.768 9.119,21.482 9.596,21.005 9.596,20.334 9.759,20.171 10.904,20.171 11,20.075 11,19.475 LED1.3
NetLED2_A: LED2.A R8.1 | length 1.9
  Top Layer w0.254: LED2.A 2.774,6.588 2.774,7.051 2.923,7.2 3.794,7.2 R8.1
NetLED3_A: LED3.A R9.1 | length 4.3
  Top Layer w0.254: LED3.A 1.225,6.438 1.225,7.725 2.018,8.518 R9.1
NetR4_2: R4.2 U3.6 | length 3
  Top Layer w0.254: U3.6 5.863,22.773 6.942,21.695 R4.2
NetR5_1: R5.1 U3.2 U4.2 | length 10.2
  Top Layer w0.254: U4.2 2.473,19.448 2.973,19.448 3.175,19.65 3.175,20.4 2.564,21.011 2.564,22.286 ; U3.2 3.286,22.286 2.564,22.286 ; R5.1 6.425,22.9 5.975,23.35 2.75,23.35 2.3,22.9 2.3,22.55 2.564,22.286
NetR7_2: R7.2 U3.3 U4.4 | length 9.1
  Top Layer w0.254: U4.4 3.175,18.075 ; U3.3 3.299,20.951 3.65,20.6 3.65,18.55 3.175,18.075 ; R7.2 6.942,17.761 6.815,17.634 6.751,17.634 6.642,17.525 3.45,17.525 3.175,17.8 3.175,18.075
NetR10_1: R10.1 U5.1 | length 2.3
  Top Layer w0.254: R10.1 1.785,14.198 2.167,14.198 2.772,13.593 3.19,13.175 U5.1
NetR14_2: R14.2 U5.12 | length 1.9
  Top Layer w0.203: U5.12 7.855,13.175 8.067,12.963 R14.2
NetR15_2: R15.2 U5.16 | length 2.3
  Top Layer w0.254: R15.2 3.192,14.877 3.546,14.522 3.906,14.163 4.172,14.163 4.175,14.16 U5.16
NetR22_1: R22.1 U7.8 | length 1.5
  Top Layer w0.254: R22.1 12.95,16.308 13.312,15.946 U7.8
NetU4_5: U4.5 U4.6 U4.7 U4.8 | length 2
  Top Layer w0.381: U4.5 U4.6 U4.7 U4.8
RESET_N_NRF: C19.1 J1.3 S4.1 S4.3 U2.16 | length 23.3
  Top Layer w0.203: J1.3 20.235,15.5 19.753,15.981 19.469,15.981 19.325,16.125 19.325,17.3 19.825,17.8 21.273,17.8 22.27,18.797 23.49,18.797 25.268,20.575 S4.3 ; U2.16 22.389,27 v1(22.756,27.367) 22.823,27.367 23.395,26.796 23.849,26.796 ; C19.1 23.849,26.796 ; S4.3@26.225,20.651 26.225,22.389 26.589,22.753 26.589,24.25 26.225,24.614 S4.1 25.149,26.175 24.528,26.796 23.849,26.796
Sensor_1_ADC: C16.1 R12.2 TP3.1 U2.28 | length 34.2
  Top Layer w0.152: TP3.1@9.425,7.974 11.826,10.375 14.725,10.375 16.686,12.336 17.053,12.336 v1(17.079,12.31)
  Top Layer w0.254: R12.2 C16.1 ; C16.1@8.653,4.031 9.959,2.725 10.673,2.725 11,3.052 11,5.816 TP3.1@9.566,7.25 ; v1(16.172,25.693) 16.172,25.577 16.182,25.567 16.418,25.567 16.485,25.5 U2.28
  Bottom Layer w0.152: v1(16.172,25.693) 16.24,25.625 16.587,25.625 16.875,25.337 16.875,22.65 17.675,21.85 17.675,12.777 17.208,12.31 v1(17.079,12.31)
Sensor_1_input: C15.1 R11.1 TP2.1 | length 3.4
  Top Layer w0.254: R11.1 4.518,4.025 C15.1 6.05,3.872 TP2.1
Sensor_1_pwr: R11.2 TP4.1 U2.26 | length 33.6
  Top Layer w0.152: TP4.1 8.781,9.106 10.126,9.106 11.7,10.68 14.53,10.68 16.642,12.792 17.638,12.792 v1(18.234,12.197)
  Top Layer w0.254: R11.2 4.539,5.329 4.862,5.652 4.862,5.862 5.916,6.916 6.591,6.916 TP4.1@6.844,7.169 ; v1(16.282,26.792) 16.351,26.792 16.51,26.633 16.561,26.633 16.685,26.509 17.066,26.509 U2.26
  Bottom Layer w0.152: v1(16.282,26.792) 16.35,26.724 16.526,26.724 16.725,26.525 17.608,25.642 17.608,22.779 18.333,22.054 18.333,12.296 v1(18.234,12.197)
Sensor_2_ADC: C18.1 R17.2 TP8.1 U2.27 | length 32.5
  Top Layer w0.152: TP8.1 17.626,8.511 v1(17.626,11.231)
  Top Layer w0.254: R17.2 C18.1 16.45,4.025 17.925,2.55 18.35,2.55 18.65,2.85 18.65,6.05 18.425,6.275 17.475,6.275 16.502,7.248 TP8.1 ; v1(15.866,26.279) 15.866,26.27 15.93,26.206 15.951,26.227 16.393,26.227 16.619,26 U2.27
  Bottom Layer w0.152: v1(15.866,26.279) 16.364,26.279 17.303,25.34 17.303,22.653 18.004,21.952 18.004,12.654 17.626,12.276 v1(17.626,11.231)
Sensor_2_input: C17.1 R16.1 TP7.1 | length 3.4
  Top Layer w0.254: R16.1 C17.1 13.813,3.903 TP7.1
Sensor_2_pwr: R16.2 TP10.1 U2.3 | length 22.3
  Top Layer w0.152: TP10.1 14.194,7.248 17.125,10.179 17.125,11.532 17.307,11.714 19.214,11.714 19.225,11.725 v1(19.199,11.752) v1(19.199,11.752) ; U2.3 18.775,21.44 19.121,21.094 v1(19.121,21.05)
  Top Layer w0.254: R16.2 12.315,6.115 13.448,7.248 TP10.1
  Bottom Layer w0.152: v1(19.121,21.05) 19.121,20.954 18.945,20.778 18.945,12.599 19.225,12.319 19.225,11.752 v1(19.199,11.752)
Sensor_3_ADC: C21.1 R20.2 TP13.1 U2.4 | length 37.2
  Top Layer w0.152: v1(18.422,11.207) 18.422,7.028 19.125,6.325 19.125,3.5 20.75,1.875 TP13.1 ; v1(19.267,21.885) 19.275,21.893 U2.4
  Top Layer w0.254: TP13.1 22.1,1.425 23.075,0.45 28.125,0.45 28.975,1.3 28.975,2.575 28.404,3.146 27.429,3.146 26.7,3.875 C21.1 R20.2
  Bottom Layer w0.152: v1(18.422,11.207) 18.432,11.207 18.717,11.492 18.717,12.396 18.638,12.475 18.638,21.256 v1(19.267,21.885)
Sensor_3_input: C20.1 R19.1 TP12.1 | length 3.7
  Top Layer w0.254: R19.1 C20.1 23.925,2.975 24.6,2.3 TP12.1
Sensor_3_pwr: R19.2 TP14.1 U2.6 | length 22.5
  Top Layer w0.152: v1(18.905,9.158) 18.905,6.976 20.277,5.604 20.277,4.673 TP14.1 ; v1(20.257,21.902) 20.275,21.92 U2.6
  Top Layer w0.254: TP14.1 21.047,4.375 21.843,5.17 22.545,5.17 R19.2
  Bottom Layer w0.152: v1(18.905,9.158) 18.905,9.705 20.03,10.83 20.03,12.414 19.563,12.881 19.563,20.281 20.38,21.098 20.38,21.683 20.257,21.806 v1(20.257,21.902)
Sensor_4_ADC: C25.1 R24.2 TP17.1 U2.5 | length 30.6
  Top Layer w0.152: v1(19.1,10.85) 19.1,9.65 20.671,8.079 21.846,8.079 TP17.1 ; U2.5 19.775,21.517 19.898,21.394 v1(19.898,21.298)
  Top Layer w0.254: TP17.1 23.35,6.575 28.075,6.575 28.975,7.475 28.975,8.125 27.804,9.296 27.479,9.296 26.75,10.025 C25.1 R24.2
  Bottom Layer w0.152: v1(19.1,10.85) 19.175,10.85 19.725,11.4 19.725,12.25 19.25,12.725 19.25,20.411 19.83,20.99 19.83,21.23 v1(19.898,21.298)
Sensor_4_input: C24.1 R23.1 TP16.1 | length 3.5
  Top Layer w0.254: R23.1 C24.1 24,10.025 24.323,9.702 TP16.1@24.323,8.177 ; TP16.1@24.323,8.102 TP16.1
Sensor_4_pwr: R23.2 TP18.1 U2.7 | length 15.3
  Top Layer w0.152: TP18.1 20.644,10.544 20.644,11.922 v1(20.662,11.941) ; U2.7 20.803,22.772 20.803,21.402 v1(20.863,21.343)
  Top Layer w0.254: TP18.1 21.019,10.525 21.744,11.25 ; 21.744,11.325 R23.2
  Bottom Layer w0.152: v1(20.662,11.941) 20.662,12.213 19.875,13 19.875,20.125 20.795,21.045 20.795,21.275 v1(20.863,21.343)
SWCLK_NRF: J1.1 U2.17 | length 25
  Top Layer w0.203: U2.17 21.993,27.7 v1(21.996,27.697) ; J1.1 22.196,14.23 22.45,13.976 v2(22.45,13.275)
  Bottom Layer w0.203: v1(21.996,27.697) 22.079,27.697 22.383,28.002 23.213,28.002 24.181,27.033 25.701,27.033 26.196,26.538 27.305,25.43 27.305,18.679 26.866,18.24 23.773,18.24 23.275,17.743 23.275,14.1 v2(22.45,13.275)
SWDIO_NRF: J1.2 U2.18 | length 25.5
  Top Layer w0.203: U2.18 20.794,27.719 20.794,28.219 21.1,28.525 22.868,28.525 23.343,29 v1(25.252,29) ; J1.2 25.255,14.15 v1(28.2,14.15)
  Bottom Layer w0.203: v1(25.252,29) 25.252,28.233 29.437,24.048 29.437,22.728 28.2,21.491 v1(28.2,14.15)
UART_RX_NRF: J1.6 U2.14 | length 14.7
  Top Layer w0.203: U2.14 22.276,26 22.385,26.109 23.124,26.109 v1(23.126,26.107) ; J1.6 25.404,16.77 25.658,17.024 v1@25.658,19.267 ; v1@25.627,19.237 v1@25.658,19.267 ; v1(25.658,19.337) v1@25.658,19.267
  Bottom Layer w0.203: v1(23.126,26.107) 25.622,26.107 26.593,25.135 26.593,19.457 26.474,19.338 v1@25.658,19.338
UART_TX_NRF: J1.5 U2.15 | length 18.7
  Top Layer w0.203: J1.5 21.796,16.77 22.05,17.024 22.05,17.557 22.791,18.298 23.73,18.298 24.261,18.829 v1(24.996,18.829) ; U2.15 21.994,26.519 22.553,26.519 22.712,26.678 v1(22.794,26.678)
  Bottom Layer w0.203: v1(22.794,26.678) 25.553,26.678 26.949,25.282 26.949,18.948 26.83,18.829 v1(24.996,18.829)
pads on no net: ANT1.2 J2.A2 J2.A3 J2.A5 J2.A6 J2.A7 J2.A8 J2.A10 J2.A11 J2.B2 J2.B3 J2.B5 J2.B6 J2.B7 J2.B8 J2.B10 J2.B11 S1.5 S1.6 S2.1 S3.1 S4.5 S4.6 U2.2 U2.21 U3.1 U5.15

## Polygon pours and split planes (outlines as drawn)
BAT+ on Top Layer "TOP_BAT_PLUS" (solid, pour order 1): 9.5,21.025 9.5,18.75 8.5,18.75 8.5,21.025
+GND on Top Layer "TOP_GND" (solid, remove dead copper, pour order 12): 0,0 30,0 30,35 0,35
BAT- on Top Layer "TOP_BAT_MINUS" (solid, pour order 6): 10.05,18.7 10.05,17.4 8.525,17.4 8.525,18.7
+3V3 on Top Layer "TOP_3V3" (solid, pour order 11): 17.45,18.85 17.45,17.2 15.8,17.2 15.8,18.85
BAT+ on Top Layer "TOP_BAT_PLUS_2" (solid, pour order 8): 1.25,11.812 1.25,9.425 0.225,9.425 0.225,11.812
+3V3 on Power Layer "POWER_3V3" (solid, remove dead copper, pour order 10): 0,0 30,0 30,35 0,35
BAT+ on Power Layer "POWER_BAT_PLUS_2" (solid, pour order 7): 1.25,11.812 1.25,9.537 0.425,9.537 0.425,11.812
BAT+ on Power Layer "POWER_BAT_PLUS" (solid, pour order 2): 9.5,21.025 9.5,18.75 8.5,18.75 8.5,21.025
+GND on Bottom Layer "BOTTOM_GND" (solid, remove dead copper, pour order 9): 0,0 30,0 30,35 0,35
BAT- on Bottom Layer "BOTTOM_BAT_MINUS" (solid, pour order 4): 10.05,18.7 10.05,17.4 8.525,17.4 8.525,18.7
+GND on Ground Layer "GROUND_GND" (solid, remove dead copper, pour order 5): 0,0 30,0 30,35 0,35

## Other copper
Multi-Layer:
  pour cut-out: 15.2,35.1 15.2,35 15.2,31.5 21.3,31.5 21.3,30.2 20.2,30.2 20.2,28.9 22.6,28.9 22.6,31.2 23.3,31.2 23.3,35.1

## Silkscreen, mask and mechanical layers (free items; w line width, h text height)
Top Overlay:
  lines w0.2: 19.2,0.35 24.25,0.35 24.525,0.625
  text "USER" at 23.925,33.376 h1.14 r270
  text "GND" at 7.613,25.25 h1.14
  text "5V" at 2.438,25.175 h1.14
  text "DBG" at 19.514,19.925 h1.14
  text "RESET" at 25.555,18.9 h1.14
  text "TX" at 18.12,16.525 h1.14
  text "RX" at 27.543,16.525 h1.14
  text "3V3" at 7.805,16.025 h1.14
  text "GND" at 27.513,15.25 h1.14
  text "RST" at 17.694,15.2 h1.14
  text "PMIC" at 7.655,14.2 h1.14
  text "CLK" at 17.675,13.925 h1.14
  text "IO" at 27.225,13.875 h1.14
  text "PWR" at 19.512,12 h1.14
  text "HBKU" at 9.922,9.85 h4.44
  text "CHG" at 0.95,9.181 h1.14 r270
  text "PGO" at 2.275,9.177 h1.14 r270
  text "GND" at 28.4,9.063 h1.14 r270
  text "PWR" at 5.812,8.7 h1.14
  text "ADC" at 8.437,8.7 h1.14
  text "PWR" at 12.762,8.675 h1.14
  text "ADC" at 15.312,8.675 h1.14
  text "ADC" at 18.562,7.65 h1.14
  text "IN" at 24.066,6.05 h1.14
  text "PWR" at 19.137,5.725 h1.14
  text "GND" at 28.625,2.936 h1.14 r270
  text "GND" at 9.812,2.25 h1.14
  text "GND" at 17.537,2.15 h1.14
  text "ADC" at 18.687,1.2 h1.14
  text "IN" at 3.698,0.775 h1.14
  text "IN" at 11.541,0.775 h1.14
  text "IN" at 18.241,0.25 h1.14
Drill Guide:
  lines w0.2: -0.1,-0.1 -0.1,24.9 24.9,24.9 24.9,-0.1 -0.1,-0.1
Board:
  the board outline again, w0.2
Top Assembly:
  text "2450AT43F0100E" at 15.325,31.975 h1.3
  text "1054500101" at 2.475,31.45 h1.52
  text "100pF" at 16.75,30.35 h1.5
  text "12pF" at 12.325,29.975 h1.5
  text "3.9nH" at 21.85,29.9 h1.5
  text "ABM11W- / 32.0000MHZ- / 8-B1U-T3" at 7.4,27.975 h1.3
  text "100nF" at 24.95,27.85 h1.5
  text "12pF" at 12.375,27.7 h1.5
  text "0.8pF" at 18.95,27.55 h1.5
  text "100nF" at 12.225,25.35 h1.5
  text "100nF" at 24.85,25.175 h1.5
  text "BQ29700 / DSER" at 2.625,23.65 h1.3
  text "nRF52811 / -QCAA-R" at 17.55,23.275 h1.3
  text "470R" at 11.725,23.05 h1.5 r90
  text "470R" at 10.575,23.025 h1.5 r90
  text "1uF" at 13.8,22.75 h1.5 r90
  text "100nF" at 24.875,22.55 h1.5
  text "10M" at 6.775,22.525 h1.5
  text "15nH" at 15.25,22.45 h1.5 r90
  text "470R" at 9.75,21.9 h1.5
  text "2.2k" at 6.9,21.25 h1.5
  text "100nF" at 17.55,20.125 h1.5
  text "330" at 6.625,20 h1.5
  text "10uH" at 13.75,19.35 h1.5 r90
  text "LTST- / C19H / E1WT" at 9.95,19.3 h1
  text "100nF" at 6.65,18.725 h1.5
  text "4.7uF" at 16.075,18.675 h1.5 r90
  text "ECH8693 / R-TL-W" at 2.025,18.35 h1.3
  text "10M" at 6.8,17.425 h1.5
  text "2.2uH" at 13.55,17.175 h1.5
  text "100k" at 9.15,15.925 h1.5
  text "1uF" at 5.425,15.225 h1.5
  text "4.7k" at 2.1,15.2 h1.5
  text "10uF" at 9.175,13.775 h1.5
  text "22uF" at 16.6,13.575 h1.5 r90
  text "10K" at 2.075,12.975 h1.5 r90
  text "BQ24074 / RGTR" at 3.2,12.8 h1.3
  text "3k" at 8.15,12.525 h1.5
  text "TPS62172 / DSGR" at 13.05,11.45 h1.3
  text "4.7uF" at 8.875,10.925 h1.5
  text "4.7UF" at 2.125,8.9 h1.5 r90
  text "470R" at 2.875,8.15 h1.5
  text "470R" at 2.775,6.775 h1.5
  text "LTST-C19 0CKT" at 1.225,4.1 h1 r90
  text "LTST-C19 0CKT" at 2.575,4.075 h1 r90

## Text inside footprints (layer, text, board x,y; h text height)
U6: Bottom Overlay "+" at 5.999,24.489 h5 r90; Bottom Overlay "-" at 5.999,11.992 h5 r90